# Altium PCB CableNodeRevF Export in PCB ASCII Format.PcbDoc (part 2 of 4) (continued)
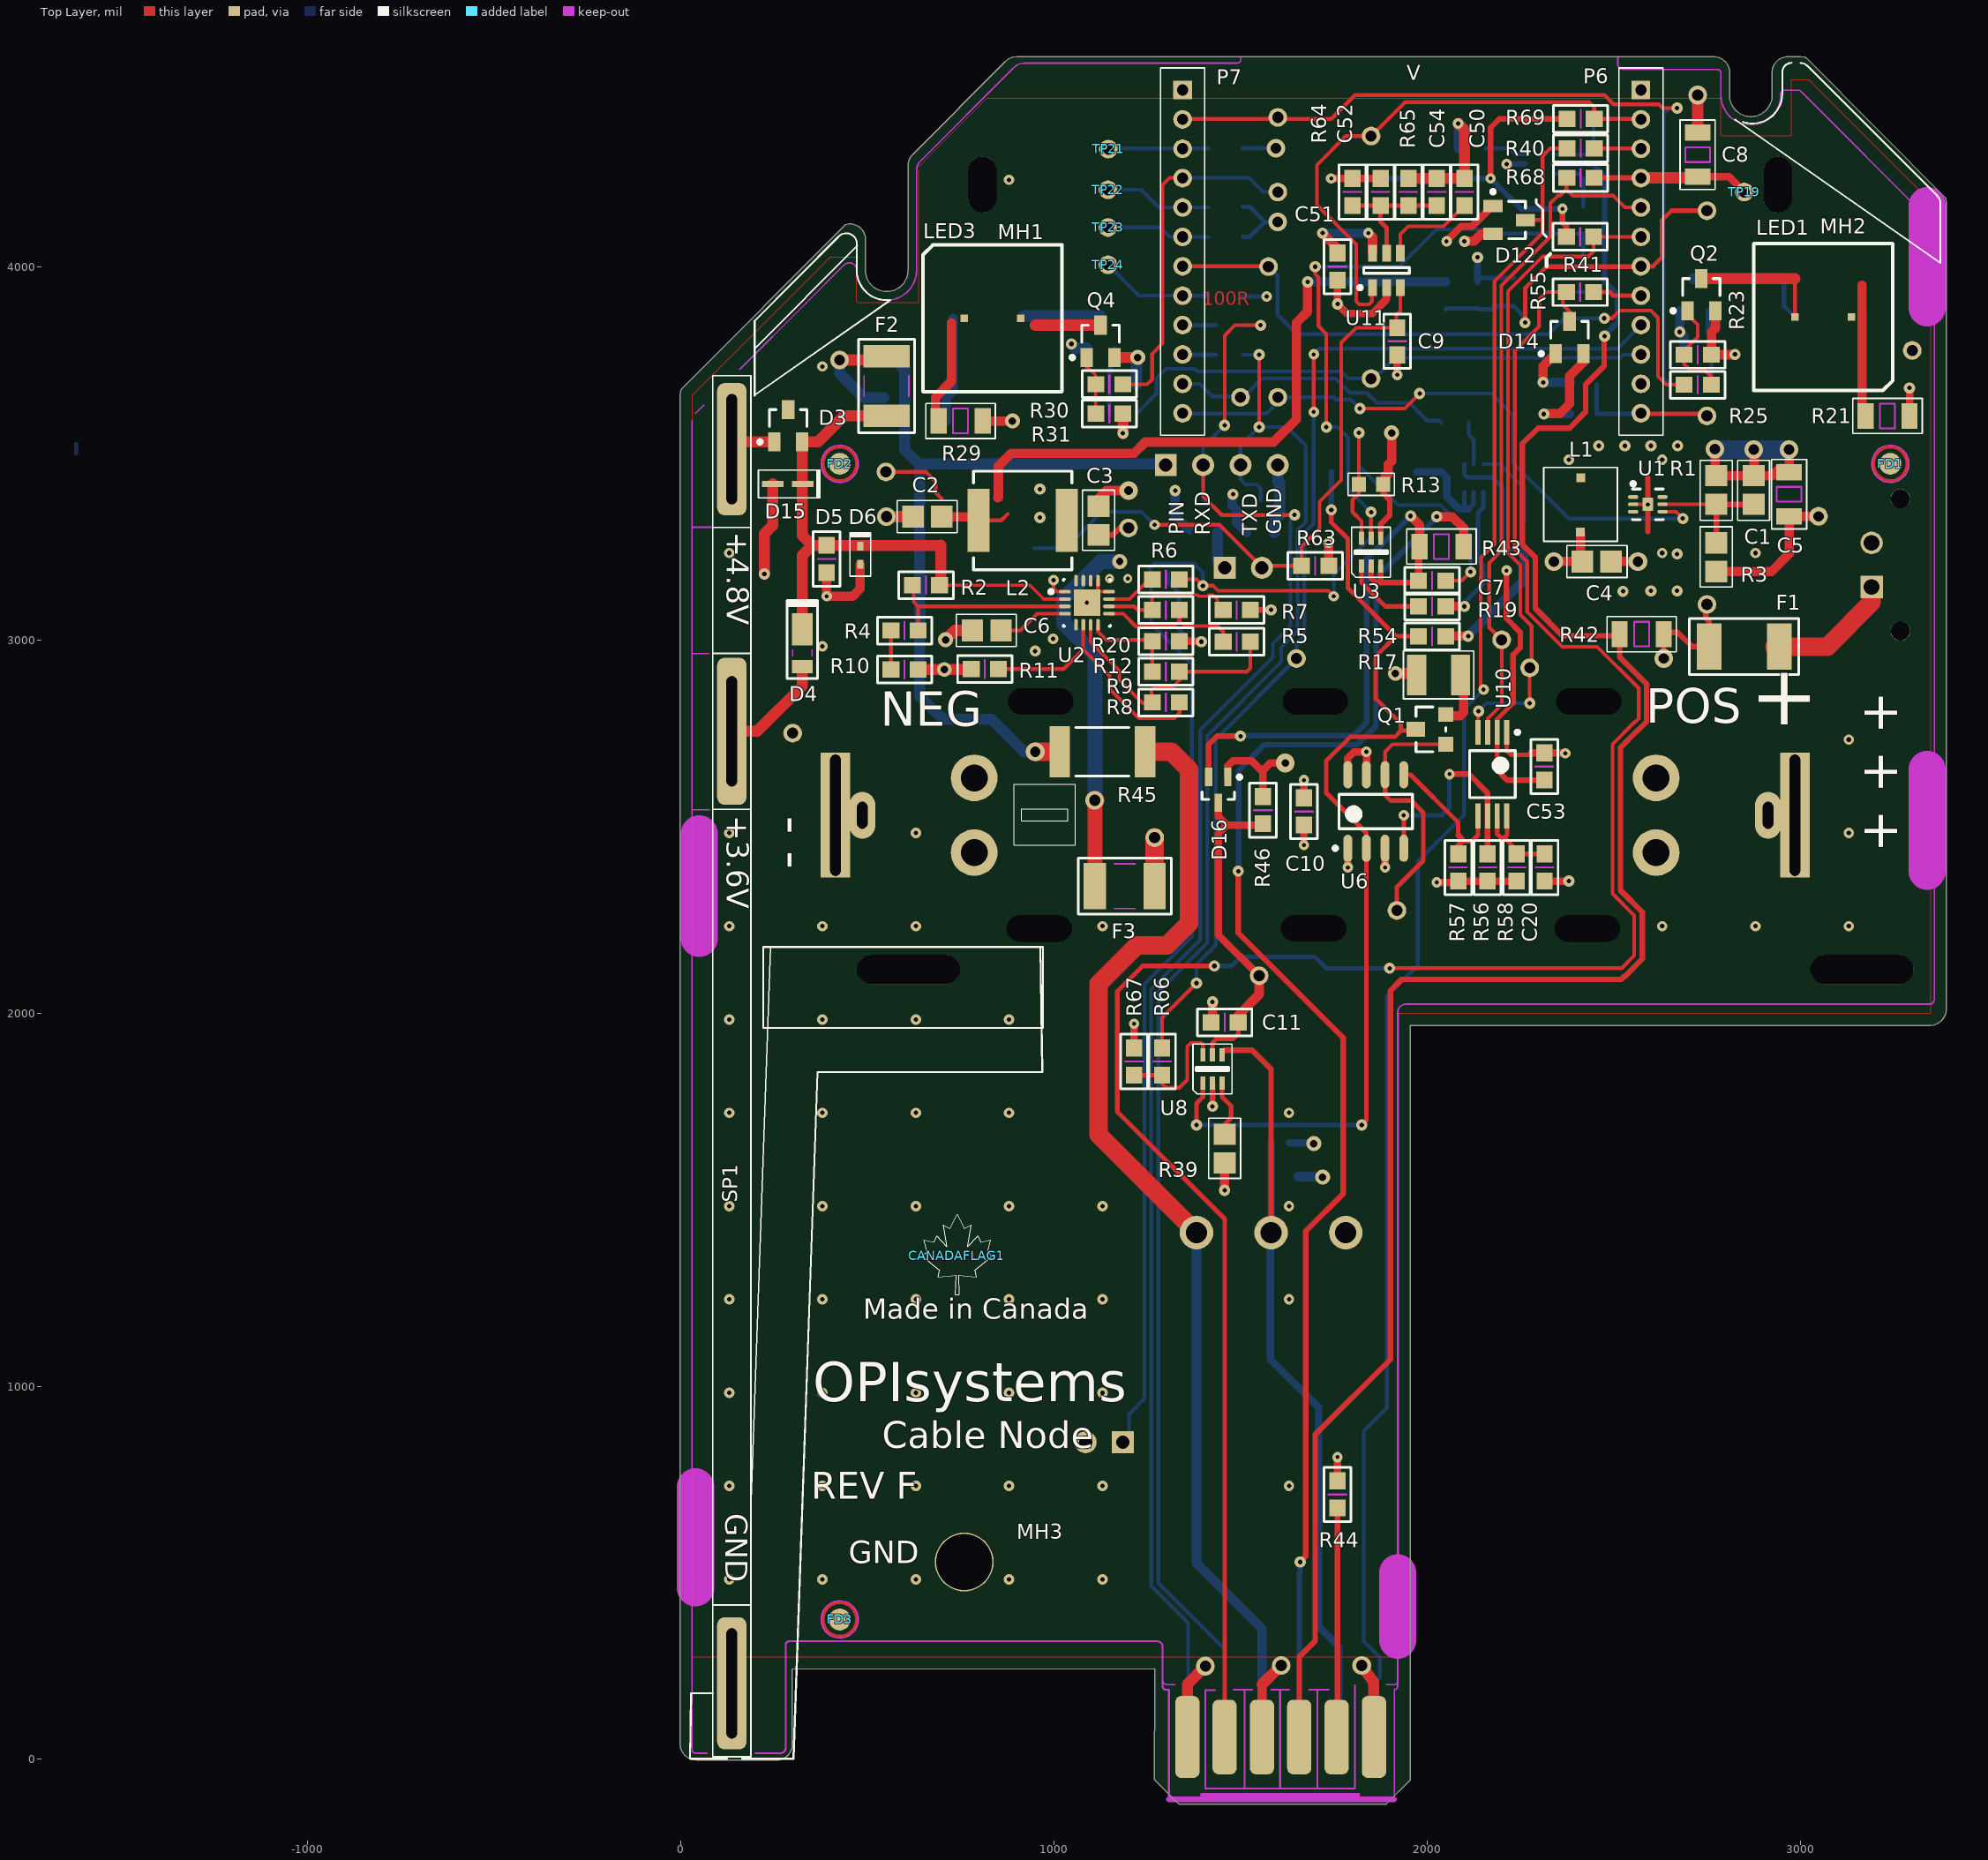
[diagram p0: Top Layer view]
## Nets (pads, with @x,y where several pads share a name; then routed paths per layer and width w, separated by ;. In a path a pad name is that pad's centre, name@x,y a point inside that pad or via, vN(x,y) a via of type N, cw(c..) or ccw(c..) an arc to the next point about the centre after c; other vN are vias at no path point) (continued)
  Top Layer w10: U2.10@1147.73,3089.67 1215,3089.67 1224.67,3080 R6.1@1263.58,3080
NetR8_2: R8.2 R11.1 U2.6 | length 709.3
  Top Layer w10: R11.1@844.93,2920.64 R11.1@851.42,2920.64 ; R11.1@851.42,2921.66 1025.84,2921.66 1078.52,2974.34 ; 1078.52,3010.84 1078.52,2974.34 ; 1078.83,3012.37 U2.6@1078.83,3040.46 ; R8.2@1336.42,2832.39 1336.42,2803.58 1322.83,2790 1227.73,2790 1149.18,2868.56 1149.18,2903.68 1078.52,2974.34
NetR9_1: R9.1 R12.1 U2.8 | length 249.1
  Top Layer w10: U2.8@1118.2,3040.46 1118.2,3021.63 1139.83,3000 R12.1@1263.58,3000 ; R9.1@1263.58,2920.64 R12.1@1263.58,2996.61
NetR15_2: R15.2 U5.5 | length 117.1
  Bottom Layer w10: R15.2@2111.42,3582.38 2111.42,3550.2 2125,3536.62 U5.5@2125,3470.86
NetR16_1: R16.1 U5.6 | length 224.9
  Bottom Layer w10: U5.6@2150.59,3470.86 2194.5,3470.86 2259.84,3405.51 R16.1@2259.84,3316.93
NetR18_1: R18.1 U5.2 U5.3 | length 307.6
  Bottom Layer w12: U5.3@2099.41,3396.06 2099.41,3351.83 2100.32,3350.91 ; 2111.62,3350.91 2125,3364.3 U5.2@2125,3396.06
  Bottom Layer w20: R18.1@1971.76,3450 2038.58,3450 2053,3435.58 2053,3383.5 2085.59,3350.91 2100.32,3350.91 2111.62,3350.91
NetR19_1: R19.1 U3.1 | length 223.2
  Top Layer w12: U3.1@1824.41,3197.6 1824.41,3153.68 1888.41,3089.67 R19.1@1977.17,3089.67
NetR20_2: R20.2 U2.11 | length 137.7
  Top Layer w10: U2.11@1147.73,3109.36 1202.72,3109.36 1255.46,3162.09 R20.2@1263.58,3162.09
NetR39_1: R39.1 U8.3 | length 130.6
  Top Layer w12: U8.3@1450.59,1812.6 1450.59,1775 1475,1750.59 1475,1719.09 R39.1@1455.91,1700
NetR56_1: R56.1 U6.4 U10.6 | length 584.1
  Top Layer w12: U6.4@1937.5,2441.57 v3(1937.5,2530)
  Top Layer w15: v3(2060,2640) 2112.34,2640 2162.2,2590.14 R56.1@2162.2,2438.09
  Bottom Layer w12: v3(1937.5,2530) 2040,2530 2060,2550 v3(2060,2640)
NetR57_1: R57.1 U6.5 U10.5 | length 365.9
  Top Layer w12: U6.5@1937.5,2638.43 1955.71,2638.43 2083.51,2510.63 2083.51,2476.81 ; 2093.51,2460 2120,2460 2136.61,2476.61 U10.5@2136.61,2512.8
  Top Layer w15: R57.1@2083.51,2438.09 2083.51,2450 2093.51,2460 2093.51,2466.81 2083.51,2476.81
NetR60_1: R60.1 U9.3 | length 113
  Bottom Layer w10: R60.1@2156.42,4317 2221.18,4317 2237.59,4300.59 U9.3@2262.6,4300.59
NetR62_1: R62.1 U9.6 | length 160.7
  Bottom Layer w10: U9.6@2337.4,4249.41 2404.38,4249.41 2418.16,4235.63 R62.1@2418.16,4161.42
NetR66_2: R66.2 R67.1 U8.6 | length 343.9
  Top Layer w10: R66.2@1290,1833.58 1290,1810 1300,1800 1336.42,1800 1357.59,1821.17 1357.59,1910 1367.59,1920 1395,1920 1399.41,1915.59 U8.6@1399.41,1887.4
  Top Layer w12: R67.1@1215,1833.58 R66.2@1290,1833.58
NRESET: P6.2 R69.2 TP20.1 U9.4 U11.1 | length 1741.3
  Top Layer w10: U11.1@1853.86,3943.74 1852.01,3941.9 1852.01,3907 1844.15,3899.13 1818.39,3899.13 1810,3907.52 1810,4060 1704.72,4165.28 1704.72,4272.62 1782.1,4350 TP20.1@1850,4350 1940.68,4440.68 2434.32,4440.68 2447.89,4427.11 R69.2@2447.89,4396 P6.2@2553,4396
  Bottom Layer w10: U9.4@2337.4,4300.59 2429.47,4300.59 2446.42,4317.54 2446.42,4380 2462.42,4396 P6.2@2553,4396
NRESET_CNE: D12.3 P4.1 R40.1 | length 4571.5
  Top Layer w10: v3(2151.42,2866.78) 2143.7,2874.49 2143.7,3168.6 2144.7,3169.6 2144.7,3220.7 2181,3257 2181,3961.42 2309.58,4090 2309.58,4125 ; D12.3@2263.31,4125 2309.58,4125 ; R40.1@2374.07,4317 2330,4317 2309.58,4296.58 2309.58,4125
  Bottom Layer w10: P4.1@1857.59,74 1857.59,203.27 1857.2,203.66 1873.13,219.6 1873.13,273.53 1830,316.66 1830,880 1892.36,942.36 1892.36,2045 1975,2127.64 1975,2406.48 2099.41,2530.89 2099.41,2814.77 v3(2151.42,2866.78)
POWER_IN: P4.7 P5.1 R45.1 | length 3045.7
  Top Layer w50: R45.1@1244.17,2700 1315.05,2700 1362.2,2652.84 1362.2,2240.07 1303.24,2181.1 1222.24,2181.1 1119.68,2078.54 1119.68,1674.17 P5.1@1382.1,1411.74
  Bottom Layer w25: P5.1@1382.1,1411.74 1382.1,525.48 1557.59,350 P4.7@1557.59,74
RXD_RF200: D13.3 P2.2 P4.11 R27.2 | length 4400.8
  Top Layer w10: P2.2@1400,3468.21 1400,3384.25 1450,3334.25 1644.25,3334.25 v1(1645,3335) ; v1(1457.59,3575) 1457.59,3815.59 1485,3843 v1(1554,3843)
  Bottom Layer w10: P4.11@1357.59,74 1360,76.41 1360,365.72 1261,464.72 1261,1557.04 1260.58,1557.45 1260.58,2064.32 1392,2195.74 1392,2757.98 1587,2952.98 1587,2990 1634,3037 1634,3216.92 1633.26,3217.66 1633.26,3273.17 1634,3273.91 1634,3324 v1(1645,3335) ; P2.2@1400,3468.21 1401.19,3467.02 D13.3@1401.19,3373.32 ; 1400,3502.41 1400,3517.41 v1(1457.59,3575) ; R27.2@1506.42,3843 v1(1554,3843)
SPARE1: P4.4 R44.2 | length 614.6
  Top Layer w15: P4.4@1757.59,60 1760,62.41 R44.2@1760,673.58
TXD_RF200: D11.3 P2.3 P4.9 R28.2 | length 4324.4
  Top Layer w10: v1(1550,3570) v1(1550,3764)
  Bottom Layer w10: P4.9@1457.59,74 1457.59,295 1280,472.59 1280,1550 1280,2056.87 1411,2187.87 1411,2743.05 1608.98,2941.02 1608.98,2980 1625,2996.02 1625,2996.5 1653,3024.5 1653,3224.79 1652.26,3225.53 1652.26,3265.3 1653,3266.04 1653,3294.32 1675,3316.32 1675,3520 1625,3570 v1(1550,3570) 1500,3520 P2.3@1500,3468.21 1500,3430 1513.63,3416.37 1543.63,3416.37 1554,3406 D11.3@1554,3373.31 ; R28.2@1506.42,3764 v1(1550,3764)
VBAT_FUSED: F1.1 R13.2 R42.1 TP3.1 U3.4 | length 634.5
  Top Layer w12: R13.2@1882.48,3416.37 R13.2@1887.49,3421.38 ; 1887.49,3439.05 1891.26,3439.05
  Top Layer w15: U3.4@1875.59,3272.4 1875.59,3310.12 1900,3334.53 1900,3375 1882.48,3392.52 R13.2@1882.48,3416.37 ; v4(2634.06,2950) R42.1@2634.06,3015.24 2638.78,3019.97 2671.7,3019.97 2710,2981.66 F1.1@2743.41,2981.66 ; TP3.1@2750,3094.9 2747.04,3091.94 2747.04,3057.32 2755.91,3048.45 F1.1@2755.91,2982.24
  Top Layer w25: R13.2@1887.49,3421.38 1887.49,3439.05 ; 1891.26,3439.05 1896.21,3444 1896.21,3470 1905,3478.79 v5(1905,3554.5) ; v5(1905,3554.5) 1900.74,3558.76 1900,3558.76 1904.26,3554.5 v5(1905,3554.5)
VBAT_OK: D9.1 D10.2 P1.1 R20.1 R47.2 R62.2 U3.5 | length 5008.2
  Top Layer w10: R20.1@1336.42,3162.09 1382.32,3162.09 v1(1399.41,3145) 1423.29,3145 1425,3146.71 1440.38,3131.33 1735.67,3131.33 v3@1750,3117 ; v1(1700.26,4000) 1700.26,3980.1 1709,3971.35 1709,3841 1730,3820 v1(1730,3570) ; U3.5@1850,3272.4 v1(1850,3342.45)
  Bottom Layer w10: P1.1@1201.19,850 1201.19,925 1241.61,965.42 1242.58,965.42 1242.58,2077.58 1370,2205 1370,2934 1260.58,3043.42 D10.2@1260.58,3102 1260.58,3173.81 D9.1@1256.39,3178 1256.39,3190.79 1270,3204.39 1375.02,3204.39 1399.41,3180 v1(1399.41,3145) ; v1(1700.26,4000) 1925,4000 2025,4100 2169.49,4100 2180.91,4088.58 R62.2@2418.16,4088.58 2418.16,4004.95 R47.2@2417.93,4004.72 ; v1(1730,3570) 1760,3570 1788.52,3541.48 1788.52,3403.93 v1(1850,3342.45) 1850,3275 1750,3175 v3(1750,3116.66)
VBAT_POS: BATT1.1 BATT1.2 BATT1.3 BATT1.4 F1.2 F3.1 J1.1 pad.1 | length 480
  Top Layer w50: F3.1@1270,2340 pad.1@1270,2470 ; F1.2@2931.59,2981.66 3072.29,2981.66 3191.19,3100.56 J1.1@3191.19,3141.66
VBAT_SENSE: P4.6 R42.2 U9.5 | length 5490.8
  Top Layer w15: P4.6@1657.59,74 1657.59,275 1700.26,317.67 1700.26,870.26 1901.9,1071.9 1901.9,2060 1931.9,2090 2520,2090 2528.5,2098.5 2530.28,2098.5 2576.52,2144.74 2576.52,2270.58 2518.19,2328.91 2518.19,2711.39 2562.79,2755.99 2563.91,2755.99 2589.01,2781.09 2589.01,2880.99 2515.94,2954.06 R42.2@2515.94,3015.24 ; v1@2474.66,3810.56 2474.66,3734.27 2425,3684.61 2425,3610.72 2381.72,3567.44 2297.44,3567.44 2255.5,3525.5 2255.5,3255.2 2290,3220.7 2290,3084.17 2363.32,3010.84 R42.2@2511.54,3010.84
  Bottom Layer w15: U9.5@2337.4,4275 2441.78,4275 2475.63,4241.15 2475.63,3959.34 2509.98,3925 2509.98,3849.99 v1@2475.63,3815.65
  other v1: 2475.63,3813.6
VBAT_SW_SENSE: P4.5 R43.2 | length 3911.4
  Top Layer w15: v1@1494,2370 1494,2214.69 1775,1933.69 1775,1515.55 1675,1415.55 1675,544 v1(1660,529)
  Top Layer w25: v1(2025.87,3330.01) 2067.62,3330.01 2097.64,3300 R43.2@2097.64,3250
  Bottom Layer w15: v1(1494,2380) 1495,2381 1495,2650 1564.05,2719.05 1812.99,2719.05 1863.37,2769.42 1863.37,3165.68 2025.87,3328.18 v1(2025.87,3330.01) ; P4.5@1657.59,74 1657.59,497.59 1660,500 v1(1660,529)
VBAT_SWITCHED: C4.2 C7.1 C8.2 C51.2 C52.2 C53.2 D11.2 D12.2 D13.2 D14.2 D16.2 L1.A P6.4 R35.1 R43.1 R55.2 R63.1 R64.1 R68.2 R69.1 TP19.1 U1.3 U3.2 U3.3 U10.2 U11.6 | length 4995.6
  Top Layer w12: 1875.01,3153.09 1875.59,3153.68 ; C7.1@1971.69,3153.09 C7.1@1977.17,3158.57 ; 2187.8,2650.63 U10.2@2187.8,2752.2 2187.8,2787.62 2219,2818.82 2219,2819 2230,2830
  Top Layer w15: D16.2@1414.79,2632.34 1414.79,2719.79 1436.9,2741.9 v1(1500,2741.9) ; U3.2@1850,3197.6 1850,3165.6 1862.5,3153.09 1875.01,3153.09 C7.1@1971.69,3153.09 ; 1875.59,3153.68 U3.3@1875.59,3197.6 ; v3(2170,4236.42) 2170,4372 2194,4396 R69.1@2375.06,4396 ; 2187.8,2650.63 2214.29,2624.14 C53.2@2314,2624.14 ; v3(2212.99,3185.71) 2212.99,3057.32 2250,3020.31 2250,2980 2230,2960 2230,2830 ; v3(2362.9,4155) 2362.9,4118.76 2373.58,4108.08 R55.2@2373.58,4080 ; R68.2@2446.42,4238 R68.2@2447.62,4238 P6.4@2573,4238
  Top Layer w20: v3(1743.04,4236.42) R64.1@1800,4236.42 C52.2@1875.59,4236.42 ; C7.1@1977.17,3158.57 R43.1@1977.17,3247.64 ; C8.2@2737.06,4238 2740,4240.94 2809.06,4240.94 TP19.1@2850,4200
  Top Layer w25: v1(1720,4090) 1760,4050 C51.2@1760,4036.42 ; v3(1735.67,3259.81) 1736.67,3258.81 R63.1@1736.67,3198.47 ; v3(1842.6,4090) 1853.86,4078.74 U11.6@1853.86,4036.26 ; v1(1955.86,3332.01) 1979.53,3308.34 R43.1@1979.53,3250 ; v1(2100,4068) 2125,4068 2144.6,4087.6 D12.2@2176.69,4087.6 ; v1(2313,3605) 2314,3606 2355.74,3606 2381.74,3632 2381.74,3707.09 2419.14,3744.49 D14.2@2419.14,3766.69 D14.2@2419.14,3767.65 ; v4(2340,3210) C4.2@2411.23,3210.01 ; C4.2@2411.23,3198.47 C4.2@2411.23,3210.01 ; L1.A@2411.23,3288.54 C4.2@2411.23,3210.01 ; C4.2@2416.16,3210.01 C4.2@2411.23,3210.01
  Top Layer w30: P6.4@2573,4238 C8.2@2737.06,4238
  Bottom Layer w12: D13.2@1359.8,3297.21 1359.8,3290.7 D13.2@1363.79,3286.71 ; v1@1477.59,3387.59 v1(1480,3390)
  Bottom Layer w15: v1(1500,2741.9) 1501.14,2743.05 1803.05,2743.05 1838.1,2778.1 1838.1,3217.51 1868.23,3247.64 1871.5,3247.64 v1(1955.86,3332.01) ; v3(1743.04,4236.42) v3(2170,4236.42) 2251.42,4155 v3(2362.9,4155)
  Bottom Layer w25: v1(1325,3400) 1325,3332.01 D13.2@1359.8,3297.21 ; v1@1477.59,3387.59 1477.59,3360 1489.27,3348.32 1489.27,3314.02 D11.2@1516.6,3286.69 ; v1(1720,4090) v3(1842.6,4090) ; v1@2314,3606 R35.1@2381.74,3606
VIN_SOLAR: C2.2 D3.2 D4.2 D5.2 D6.1 D15.1 F2.1 L2.A R2.2 R36.1 TP1.1 U2.2 | length 3654.6
  Top Layer w8: R2.2@696.93,3146.64 935.51,3146.64 972.8,3109.36
  Top Layer w10: TP1.1@550,3450 657.26,3450 682.95,3424.31 682.95,3394.92 700,3377.88 ; L2.A@798.37,3320.02 859.07,3320.02 876.19,3337.14 ; 972.8,3109.36 U2.2@1029.62,3109.36
  Top Layer w25: D3.2@325.6,3530.36 D3.2@326.19,3530.36 ; 696.31,3253.08 696.93,3253.7 ; C2.2@703.25,3330.01 L2.A@811.19,3330.01 ; 850,3380 851.42,3381.42 851.42,3465.61 885.81,3500 1215.01,3500 1245.01,3530 1588.84,3530 1650,3591.16 1650,3850 1680,3880 v1@1680,3957.92
  Top Layer w30: D4.2@326.19,3028.08 326.19,3226.66 352.61,3253.08 ; F2.1@551.48,3600 437,3600 367.35,3530.36 326.19,3530.36 326.19,3279.5 352.61,3253.08 ; 696.31,3253.08 D5.2@391.19,3253.08 352.61,3253.08 ; R2.2@696.93,3146.64 696.93,3253.7
  Bottom Layer w25: v1@1680,3959.72 R36.1@2050,3959.72
  other v1: 1680,3959.34
VSTOR: C3.2 TP2.1 U2.15 | length 88.1
  Top Layer w15: C3.2@1119.68,3281.24 1158.48,3281.24 1177.23,3300 TP2.1@1200,3300
pads on no net: BATT1.0 D3.3 FD1.0 FD2.0 FD3.0 J1.3 J1.4 MH1.1 MH2.1 P6.11 U9.1
copper on no net: | length 25
  Bottom Layer w10: -1619.99,3500 -1619.99,3525

## Polygon pours and split planes (outlines as drawn)
no net on Bottom Overlay "BottomKeepOutRegion" (hatched 90Degree grid 20 track 4): 2825.19,4391.66 2825.19,4419.66 2830.04,4413.81 ccw(c2859.38,4443.15) 2859.38,4401.66 2865.4,4401.66 ccw(c2865.4,4449.46) 2899.19,4415.66 ccw(c2870.22,4444.63) 2911.19,4444.63 2911.19,4515.35 cw(c2938.51,4515.35) 2919.19,4534.66 cw(c2940.92,4512.93) 2940.92,4543.66 3000.19,4543.66 cw(c3000.19,4519.52) 3017.27,4536.59 3365,4188.85 cw(c3342.81,4166.66) 3374.19,4166.66 3374.19,4007.66
no net on Bottom Overlay "BottomKeepOutRegion" (hatched 90Degree grid 20 track 4): 200.17,3658.88 200.17,3854.88 200.06,3854.88 463.53,4119.67 cw(c483.86,4099.45) 512.53,4099.45 512.17,3998.88 ccw(c562.17,3998.88) 562.17,3948.88 ccw(c562.17,3997.17) 596.31,3963.03 603.17,3969.88 603.17,3940.88 602.52,3940.33
GND on Top Layer "Top Layer-GND" (solid, remove dead copper, pour order 6): 30,275 1925,275 1925,1997.86 1921.19,2001.66 1922.86,2000 3350,2000 3350,4174.19 3349.19,4175 3025,4499.19 3025,4500 2975,4500 2975,4350 2787.27,4350 2787.27,4450 825,4450 820.52,4450 632.42,4261.9 636.42,4257.9 636.42,3902.48 475,3902.48 471.19,3906.29 471.19,4025 400,4025 30,3655 30,3628.33 30,275
GND on Bottom Layer "Bottom Layer-GND" (solid, remove dead copper, pour order 8): 40,275 1911.19,275 1921.19,285 1921.19,2030 3350,2030 3350,4129.19 3349.19,4128.39 3349.19,4100 3349.19,4121.66 3349.2,4121.67 3011.19,4459.68 2998.19,4459.68 2978.07,4459.68 2975,4462.75 2975,4350 2787.27,4350 2787.27,4450 825,4450 641.66,4266.66 641.66,4261.9 641.66,3903.95 640.19,3902.48 471.89,3902.48 471.89,3996.69 476.19,4001 472.83,4004.37 437.71,4004.37 372.99,4004.37 30,3661.38 40,3651.38 40,275
GND on Internal Plane 1 (split plane): 635.42,4285.78 635.43,4285.8
GND on Internal Plane 1 (split plane): 1881.92,-100.02 1343.28,-99.86 1341.85,-98.43 1883.51,-98.43
GND on Internal Plane 1 (split plane): 460.27,4093.47 463.37,4092.18 466.22,4090.43 468.77,4088.26 470.95,4085.71 472.7,4082.85 473.98,4079.76 474.76,4076.5 475,4073.51 474.96,4073.16 474.96,4072.99 474.55,4073.6 472.9,4074.71 470.95,4075.1 469.63,4075.1 468.62,4079.3 466.81,4083.66 464.35,4087.69 461.28,4091.28 458.11,4093.98
GND on Internal Plane 1 (split plane): 457 vertices, not listed, extent 18.08,18.05 3370.86,4521.22
VBAT_FUSED on Internal Plane 2 (split plane): 1945.78,3622.63 1945.78,3527.61 1907.87,3489.7 1906.27,3487.61 1905.26,3485.17 1904.91,3482.56 1904.91,3258.23 1905.26,3255.62 1906.27,3253.19 1907.87,3251.1 1948.73,3210.23 2028.3,3130.66 2030.39,3129.06 2032.82,3128.05 2035.43,3127.71 2425.2,3127.71 2427.81,3128.05 2430.24,3129.06 2432.33,3130.66 2460.87,3159.21 2791.1,3159.21 2855.81,3094.49 2618.11,2856.78 2416.58,3058.31 2414.49,3059.92 2412.06,3060.92 2409.45,3061.27 1860.19,3061.27 1785.68,3135.78 1785.68,3620.09 1805.5,3639.91 1928.5,3639.91
VBAT_SWITCHED on Internal Plane 2 (split plane): 2275.49,4270.25 2277.58,4268.65 2280.01,4267.64 2282.62,4267.29 2630.5,4267.29 2643.46,4254.34 2643.46,4159.73 2613.82,4130.09 2474.33,4130.09 2471.72,4129.74 2469.29,4128.74 2467.2,4127.13 2414.13,4074.06 2412.52,4071.97 2411.52,4069.54 2411.17,4066.93 2411.17,3483.96 2411.52,3481.35 2412.52,3478.92 2414.13,3476.83 2446.61,3444.35 2446.61,3173.47 2421.02,3147.88 2039.61,3147.88 1963,3224.5 1925.09,3262.41 1925.09,3478.39 1963,3516.3 1964.6,3518.39 1965.61,3520.82 1965.95,3523.43 1965.95,3626.81 1965.61,3629.42 1965.1,3630.64 1964.6,3631.86 1963,3633.94 1939.81,3657.13 1937.72,3658.74 1935.29,3659.74 1932.68,3660.09 1801.33,3660.09 1798.72,3659.74 1796.28,3658.74 1794.19,3657.13 1768.46,3631.4 1766.86,3629.31 1765.85,3626.87 1765.5,3624.26 1765.5,3210.87 1682.56,3210.87 1610.71,3282.72 1608.62,3284.33 1606.19,3285.33 1603.58,3285.68 1374.26,3285.68 1258.12,3401.82 1258.12,3507.63 1271.89,3521.41 1382.74,3521.41 1385.35,3521.75 1387.78,3522.76 1389.87,3524.36 1412.01,3546.51 1413.62,3548.6 1413.91,3549.31 1414.62,3551.03 1414.97,3553.64 1414.97,4223.54 1437.25,4245.82 1641.73,4245.82 1644.34,4246.16 1646.78,4247.17 1648.86,4248.77 1673.47,4273.38 2137.8,4273.38 2140.41,4273.72 2142.84,4274.73 2144.93,4276.33 2169.53,4300.94 2244.8,4300.94
VBAT_POS on Internal Plane 2 (split plane): 3370.85,2692.42 3366.64,2695.4 3361.73,2698.12 3356.54,2700.27 3351.14,2701.82 3345.61,2702.76 3340,2703.08 3334.39,2702.76 3328.86,2701.82 3323.46,2700.27 3318.27,2698.12 3313.36,2695.4 3308.78,2692.15 3304.59,2688.41 3300.85,2684.22 3297.6,2679.64 3294.88,2674.73 3292.73,2669.54 3291.18,2664.14 3290.24,2658.61 3289.92,2653 3289.92,2380 3290.24,2374.39 3291.18,2368.86 3292.73,2363.46 3294.88,2358.27 3297.6,2353.36 3300.85,2348.78 3304.59,2344.59 3308.78,2340.85 3313.36,2337.6 3318.27,2334.88 3323.46,2332.73 3328.86,2331.18 3334.39,2330.24 3340,2329.92 3345.61,2330.24 3351.14,2331.18 3356.54,2332.73 3361.73,2334.88 3366.64,2337.6 3370.85,2340.58 3370.85,2026.23 3369.95,2027.69 3366.89,2031.28 3363.3,2034.35 3359.27,2036.81 3354.91,2038.62 3350.31,2039.72 3345.61,2040.09 1956.37,2040.09 1954.42,2041.8 1950.06,2044.72 1945.36,2047.03 1940.39,2048.72 1935.25,2049.74 1930.02,2050.09 1924.78,2049.74 1919.64,2048.72 1914.68,2047.03 1909.97,2044.72 1905.61,2041.8 1901.67,2038.34 1898.21,2034.4 1895.3,2030.04 1892.98,2025.34 1891.3,2020.38 1891.24,2020.09 1754.02,2020.09 1570.12,2203.98 1568.04,2205.59 1565.6,2206.59 1562.99,2206.94 1248.27,2206.94 1214.81,2240.4 1214.81,2523.38 1248.27,2556.84 1421.02,2556.84 1642.47,2335.39 1644.56,2333.78 1645.99,2333.19 1647,2332.78 1649.61,2332.43 1944.64,2332.43 1984.99,2292.08 1987.08,2290.48 1987.8,2290.18 1989.52,2289.47 1992.13,2289.13 2074.8,2289.13 2077.41,2289.47 2079.85,2290.48 2081.94,2292.08 2980.56,3190.7 3370.85,3190.7
no net on Internal Plane 2 (split plane): 635.42,4285.78 635.43,4285.8
5V on Internal Plane 2 (split plane): 518 vertices, not listed, extent 18.08,18.05 3370.86,4515.54

## Keep-outs
Top Layer:
  lines w4: 300,2957 300,2973 ; 352,2957 352,2973
Keep-Out Layer:
  lines w4: 30,2545 77.01,2545 ; 30,2963 75,2963 ; 30,3302 ccw(c30.34,3302) 30.34,3301.66 86,3301.66 ; 30,3586.64 30,36.47 30,26.66 ccw(c40,26.66) 40,16.66 70,16.66 ; 40,3606.66 61.67,3628.33 ; 158,3724.65 335.83,3902.48 437.71,4004.37 cw(c451.89,3990.26) 471.89,3990.26 ccw(c551.89,3990.26) 631.89,3990.26 ; 632.42,3990.26 632.42,4261.9 cw(c658.97,4261.9) 640.19,4280.67 891.19,4531.67 893.86,4534.34 cw(c921.19,4507) 921.19,4545.66 ; 926.19,4545.66 921.19,4545.66 ; 1291.19,220 1291.19,213.81 ccw(c1305,213.81) 1305,200 1325,200 ; 1406,185.86 ccw(c1406.19,185.86) 1406.19,185.66 ; 1501.19,4560.66 1501.19,4555.66 cw(c1491.19,4555.66) 1491.19,4545.66 921.19,4545.66 ; 1511,186.86 ccw(c1511.19,186.86) 1511.19,186.66 ; 1891.19,200.22 1912.19,200.22 ccw(c1912.19,209.22) 1921.19,209.22 ; 1912.19,-106.34 1912.19,162.66 1912.19,186.66 ccw(c1912.19,195.66) 1921.19,195.66 1921.19,2001.66 cw(c1943.19,2001.66) 1943.19,2023.66 1965.19,2023.66 3346.19,2023.66 ccw(c3346.19,2036.66) 3359.19,2036.66 3359.19,2037.66 3359.19,4082.67 3359.19,4097.52 ccw(c3325.05,4097.52) 3349.19,4121.66 ; 1921.19,204.22 1921.19,205 ; 2511.19,4559.66 2511.19,4541.66 ccw(c2524.18,4541.66) 2524.18,4528.67 2526.19,4528.67 2777.19,4528.67 cw(c2777.19,4518.6) 2787.27,4518.6 2787.27,4459.68 ccw(c2867.27,4459.68) 2947.27,4459.68 2947.27,4462.75 cw(c2957.19,4462.75) 2957.19,4472.67 2998.19,4472.67 3004.19,4466.67 ; 3003.19,4467.67 3349.2,4121.67
  lines w5: 200,16.66 267.13,16.66 ccw(c267.13,30.72) 281.19,30.72 281.19,306.66 cw(c291.19,306.66) 291.19,316.66 1276.19,316.66 cw(c1276.19,301.66) 1291.19,301.66 1291.19,196.66 ccw(c1301.19,196.66) 1301.19,186.66 1308.19,186.66 1308.19,172.66 1308.19,94.91 1308.19,-30.59 1308.19,-107.34 ; 1431.19,185.66 1406.19,185.66 1406.19,-78.34 1801.19,-78.34 1806.19,-78.34 1806.19,198.16 ; 1481.19,186.66 1531.19,186.66 ; 1511.19,-78.34 1511.19,186.66 ; 1583.19,186.66 1630.19,186.66 ; 1606.19,-78.34 1606.19,186.66 ; 1683.19,186.66 1736.95,186.66 ; 1706.19,-78.34 1706.19,186.66
  lines w10: 1397.19,-95.34 1816.19,-95.34 ; 1911.19,-107.34 1912.19,-106.34
  lines w15: 1308.19,-107.34 1911.19,-107.34
  lines w100: 40,460 40,730 ; 50,2200 50,2480 ; 1921.19,320 1921.19,500 ; 3340,2380 3340,2653 ; 3340,3890 3340,4163
  text "Keepout Layer" at 3955,5425 h150

## Other copper
Top Layer:
  text "Top Copper Layer" at 3960,6109 h150
Bottom Layer:
  text "Bottom Copper Layer" at 5010,5720 h150
Internal Plane 1 (plane layer: these items are gaps in the copper):
  lines w10: 440,4070 470.95,4070 ; 2793.31,4540.52 2795,4542.21 ; 3021.84,4535 3025,4538.16
  lines w40: 875,4540.52 2793.31,4540.52 ; 2938.84,4535 3021.84,4535 ; -0.42,30.33 cw(c1.44,31.1) -0.56,30.84 -2,41.78 cw(c0,42.04) -2.01,42.04 -1.65,3655.16 cw(c0.26,3655.8) -1.74,3656.06 -0.47,3665.76 cw(c1.53,3665.49) -0.33,3666.26 ; -0.43,30.34 ccw(c1.44,31.1) -0.42,30.33 ; -0.43,30.34 -0.42,30.33 ; -0.42,30.33 3.8,20.15 ccw(c5.66,20.92) 4.06,19.69 10.78,10.94 ccw(c12.37,12.17) 11.15,10.57 19.9,3.85 ccw(c21.12,5.45) 20.35,3.59 ; -0.33,3666.27 1.58,3670.87 ; -0.33,3666.26 -0.33,3666.27 ; 1.58,3670.88 cw(c3.44,3670.11) 2.01,3671.53 ; 1.58,3670.88 ccw(c3.44,3670.11) 1.58,3670.87 ; 2.02,3671.53 440.86,4112.27 441.71,4112.78 cw(c453.67,4073.16) 495.06,4073.16 495.06,3990.26 ccw(c552.1,3990.26) 609.14,3990.26 609.14,4270.78 cw(c650.52,4270.78) 621.2,4299.99 ; 2.01,3671.53 2.02,3671.53 ; 20.34,3.59 ccw(c21.12,5.45) 20.36,3.59 ; 20.35,3.59 20.36,3.59 ; 20.34,3.59 20.35,3.59 ; 20.35,3.59 20.36,3.59 ; 20.36,3.59 30.53,-0.63 30.54,-0.63 ccw(c31.31,1.23) 31.08,-0.77 41.46,-1.99 ccw(c41.7,0.01) 41.7,-2.01 257.44,-2.02 ; 257.44,-2.01 ccw(c257.47,39.37) 257.44,-2.01 ; 257.44,-2.01 ccw(c257.47,39.37) 298.86,39.37 298.86,241.45 1269.98,243.31 1269.96,209.4 ccw(c1271.98,209.4) 1269.97,209.27 1270.08,207.49 1269.79,-53.51 ccw(c1271.77,-53.92) 1270.34,-55.34 1334.35,-119.35 ; 257.44,-2.02 257.44,-2.02 ; 621.21,4299.99 ccw(c622.63,4298.57) 621.2,4299.99 ; 621.21,4299.99 869.88,4549.85 cw(c871.31,4548.43) 869.89,4549.86 cw(c871.31,4548.43) 870.06,4550.01 870.07,4550.02 878.32,4556.54 ; 621.2,4299.99 621.2,4299.99 ; 878.33,4556.54 cw(c879.57,4554.96) 878.8,4556.82 ; 878.33,4556.54 ccw(c879.57,4554.96) 878.32,4556.54 ; 878.81,4556.82 888.98,4561.04 cw(c889.76,4559.18) 889,4561.05 ; 878.8,4556.82 878.81,4556.82 ; 888.99,4561.04 cw(c889.76,4559.18) 889.53,4561.18 899.91,4562.4 cw(c900.15,4560.4) 900.15,4562.42 2769.15,4562.27 ; 888.99,4561.04 889,4561.05 ; 1334.35,-119.35 ccw(c1335.79,-117.94) 1334.37,-119.37 ; 1334.36,-119.36 ccw(c1335.79,-117.94) 1335.79,-119.95 1889.4,-120.12 ccw(c1889.4,-118.11) 1890.83,-119.53 ; 1334.36,-119.36 1334.37,-119.37 ; 1890.84,-119.52 cw(c1889.4,-118.11) 1890.82,-119.54 1954.81,-55.55 ; 1890.83,-119.53 1890.84,-119.52 ; 1954.81,-55.55 cw(c1953.37,-54.13) 1954.79,-55.57 1954.81,-55.55 ; 1954.81,-55.55 ccw(c1953.38,-54.12) 1955.4,-54.12 ccw(c1953.38,-54.12) 1955.39,-53.93 1955.08,1966.64 3349.8,1966.64 ccw(c3349.8,1968.66) 3350.06,1966.66 3358.25,1967.74 ccw(c3357.99,1969.74) 3358.76,1967.88 ; 1954.81,-55.55 1954.81,-55.55 ; 2769.15,4562.27 cw(c2769.15,4520.89) 2810.53,4520.89 2810.53,4459.27 ccw(c2867.57,4459.27) 2924.61,4459.27 2924.61,4520.89 cw(c2966,4520.89) 2966,4562.27 2999.83,4562.27 cw(c3000.99,4560.62) 3001.25,4562.62 3012.57,4561.13 cw(c3012.31,4559.13) 3014.15,4559.94 ; 2769.15,4562.27 2769.15,4562.27 ; 3014.15,4559.94 cw(c3014.74,4558.01) 3016.17,4559.43 3388.43,4185.01 cw(c3387,4183.59) 3389.01,4183.6 cw(c3387.8,4181.99) 3389.8,4182.25 3391.29,4170.88 cw(c3389.3,4170.62) 3391.31,4170.62 cw(c3389.3,4170.62) 3390.96,4169.48 3390.94,2008.01 cw(c3388.94,2007.8) 3390.96,2007.8 cw(c3388.94,2007.8) 3390.94,2007.54 3389.86,1999.35 cw(c3387.86,1999.61) 3389.72,1998.84 ; 3014.15,4559.94 3014.15,4559.94 ; 3358.75,1967.87 ccw(c3357.99,1969.74) 3358.77,1967.88 ; 3358.76,1967.88 3358.77,1967.88 ; 3358.76,1967.88 3358.77,1967.88 ; 3358.75,1967.87 3358.76,1967.88 ; 3358.77,1967.88 3368.94,1972.09 ; 3368.94,1972.09 ccw(c3368.18,1973.96) 3368.96,1972.1 ; 3368.95,1972.1 ccw(c3368.18,1973.96) 3369.41,1972.36 3378.15,1979.07 ccw(c3376.93,1980.67) 3378.53,1979.44 3385.24,1988.19 ccw(c3383.64,1989.42) 3385.5,1988.65 ; 3368.94,1972.09 3368.95,1972.1 ; 3368.94,1972.09 3368.95,1972.1 ; 3368.95,1972.1 3368.96,1972.1 ; 3385.5,1988.64 ccw(c3383.64,1989.42) 3385.51,1988.66 ; 3385.5,1988.65 3385.51,1988.66 ; 3385.5,1988.65 3385.51,1988.66 ; 3385.5,1988.64 3385.5,1988.65 ; 3385.51,1988.66 3389.72,1998.83 ; 3389.72,1998.83 ccw(c3387.86,1999.61) 3389.73,1998.85 ; 3389.72,1998.83 3389.72,1998.84 ; 3389.72,1998.83 3389.72,1998.84 ; 3389.72,1998.84 3389.73,1998.85
  lines w60: 19.22,3649.22 440,4070 ; 294.94,274.75 1275.77,274.75 ; 1308.19,-68.34 1920,-68.34 ; 1947.38,2005.31 3356.4,2007.13
  lines w80: 1930.02,1852.31 1930.02,2001.66
  lines w100: 40,460 40,730 ; 50,2200 50,2475 ; 1451.5,4520.54 2451.5,4520.54 ; 1920,320 1920,500 ; 2985.69,4504.4 3340,4150.09 3340,3890 ; 3340,2380 3340,2653
  text "Internal Plane 1 (GND)" at 3960,5980 h150